# KiCad board AMC_FMC_Carrier-PcbDoc.kicad_pcb (continued)
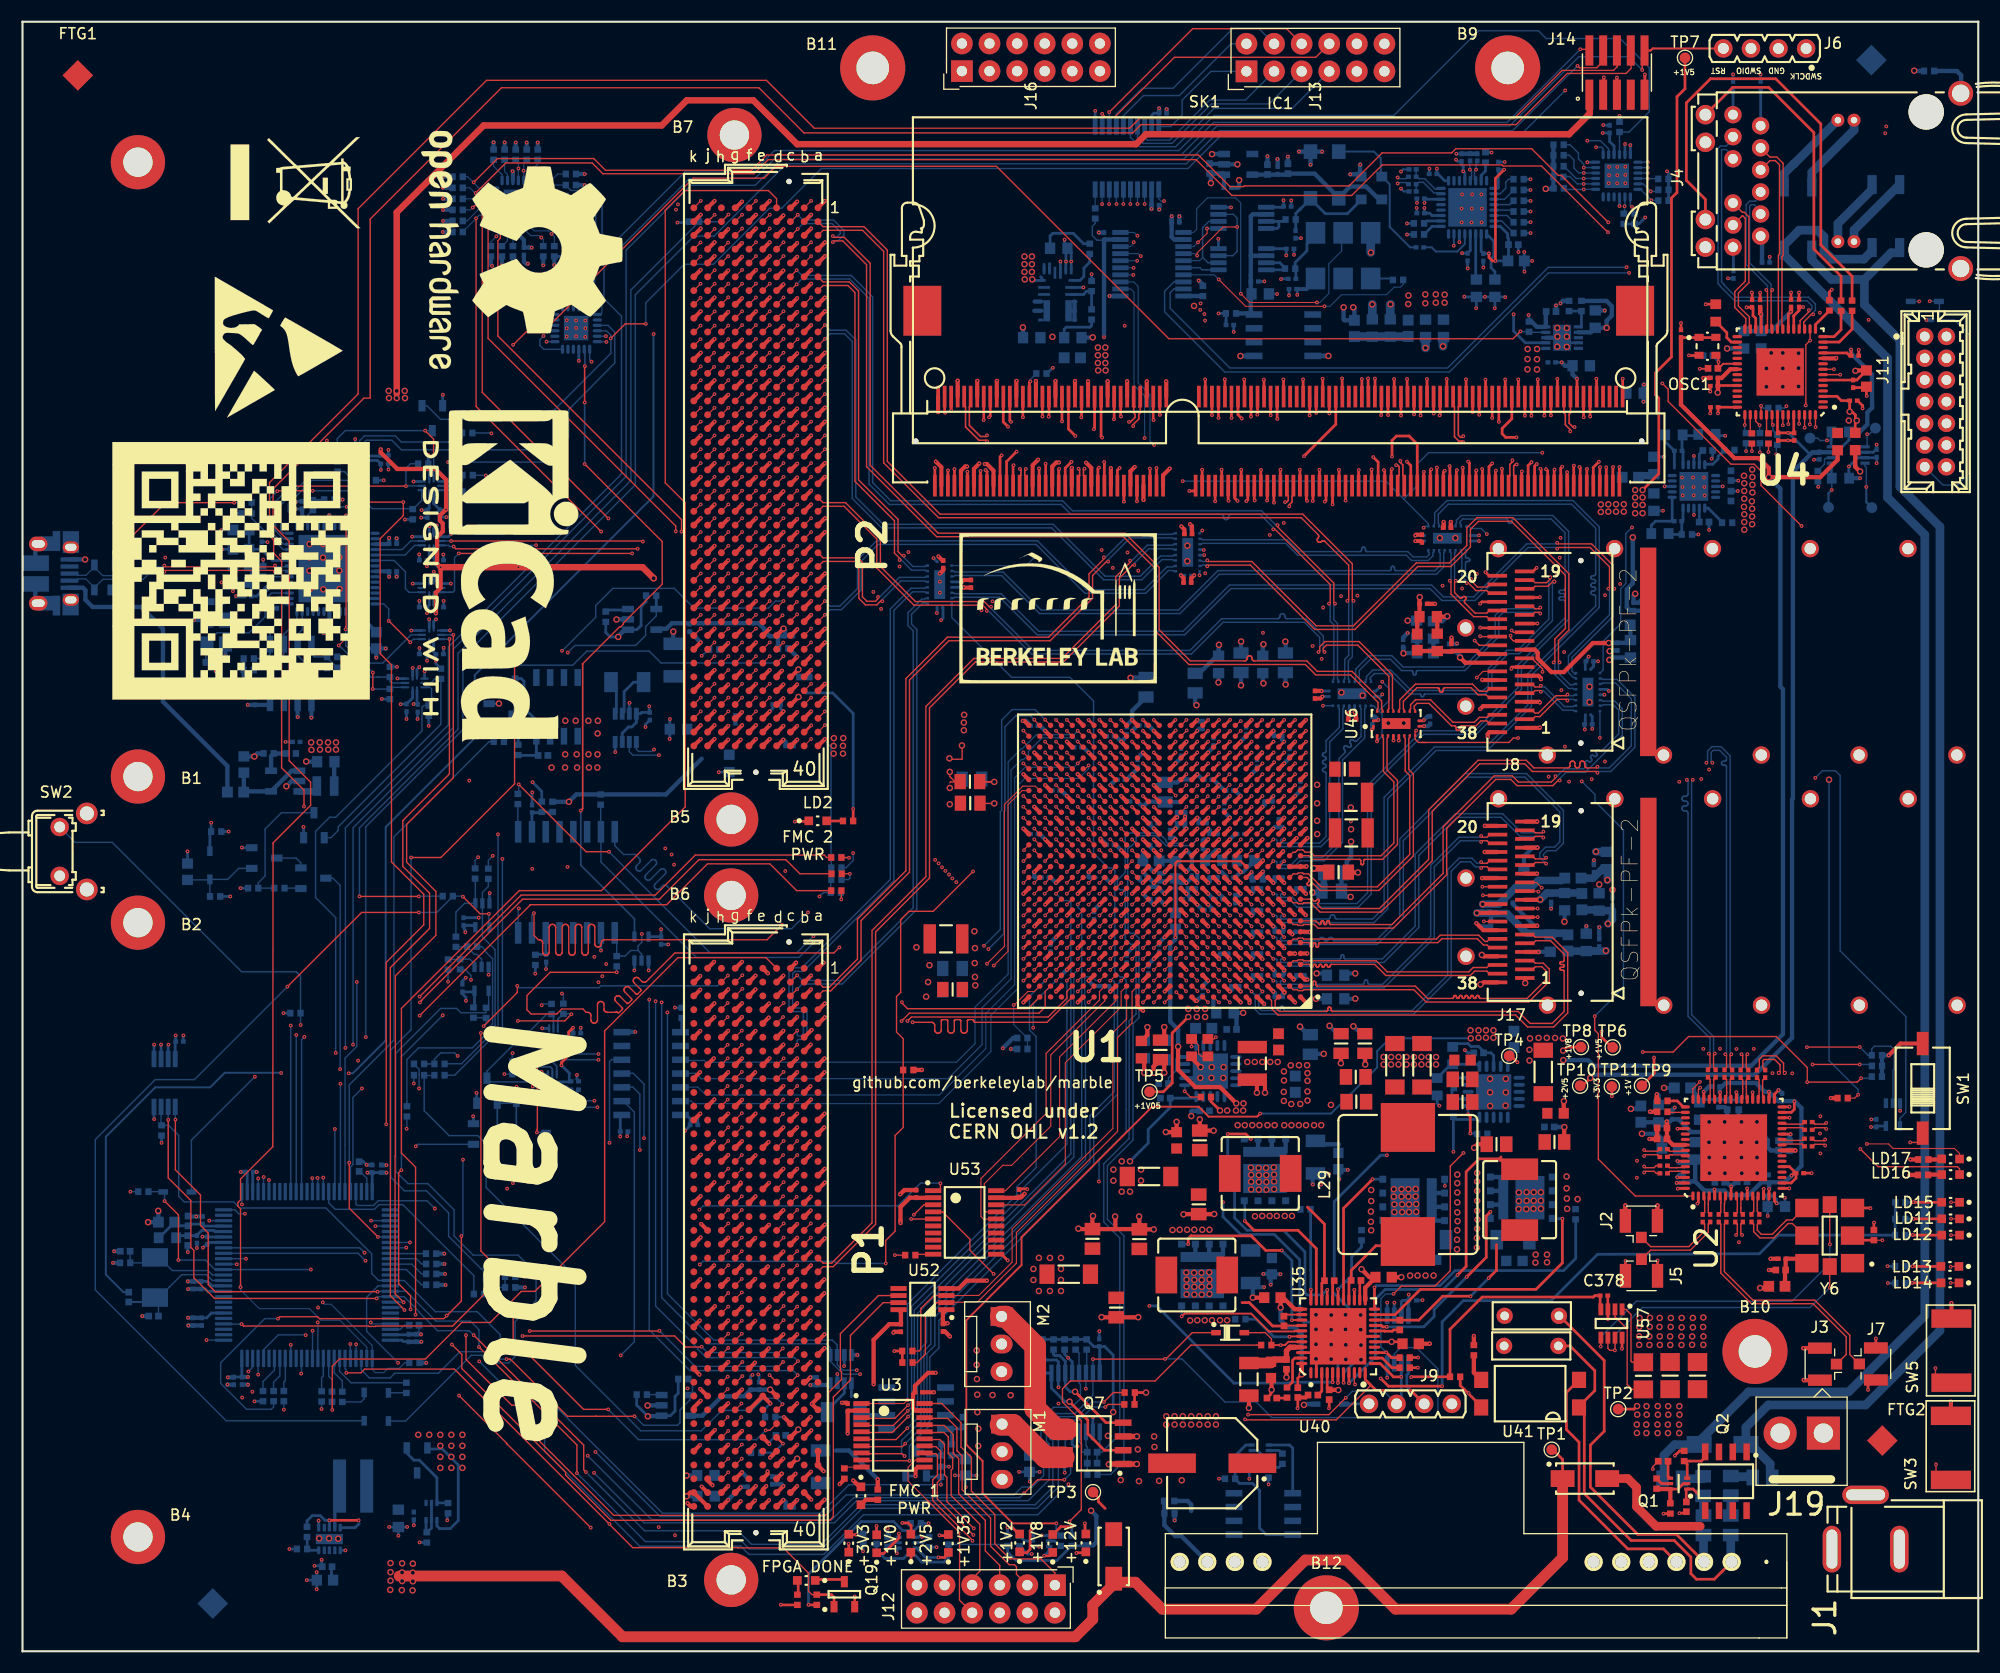
[diagram p0: board, top side]
## Routing (per net, layer and track width the routed paths; a pad name or vN(x,y) marks a point on that pad's centre or on a via; arc(x,y) is an arc through that point) (continued)
/SDRAM/DDR3_DQ27: length 39
  Top w0.254: SK1.69 104.37,108.82 104.37,108.82 v1(104.37,108.92) ; U1.AD14 v1(104.12,83.73)
  In2.Cu w0.135: v1(104.37,108.92) 104.19,108.74 104.19,108.11 104.19,108.09 104.18,108.07 104.17,108.06 104.16,108.05 104.15,108.04 104.13,108.03 104.1,108.03 104.08,108.02 104.07,108.01 104.05,108 104.05,107.99 104.04,107.97 104.04,107.96 104.04,107.51 104.04,107.49 104.05,107.47 104.05,107.46 104.07,107.45 104.08,107.44 104.1,107.43 104.11,107.43 104.19,107.43 104.34,107.43 104.37,107.43 104.4,107.42 104.43,107.4 104.45,107.37 104.47,107.35 104.48,107.31 104.49,107.28 104.49,106.98 104.48,106.95 104.47,106.92 104.45,106.89 104.43,106.86 104.4,106.85 104.37,106.83 104.34,106.83 104.11,106.83 104.1,106.83 104.08,106.82 104.07,106.81 104.05,106.8 104.05,106.79 104.04,106.77 104.04,106.76 104.04,106.31 104.04,106.29 104.05,106.27 104.05,106.26 104.07,106.25 104.08,106.24 104.1,106.23 104.11,106.23 104.34,106.23 104.37,106.23 104.4,106.22 104.43,106.2 104.45,106.17 104.47,106.15 104.48,106.11 104.49,106.08 104.49,105.78 104.48,105.75 104.47,105.72 104.45,105.69 104.43,105.66 104.4,105.65 104.37,105.63 104.34,105.63 104.11,105.63 104.1,105.63 104.08,105.62 104.07,105.61 104.05,105.6 104.05,105.59 104.04,105.57 104.04,105.56 104.04,105.11 104.04,105.09 104.05,105.07 104.05,105.06 104.07,105.05 104.08,105.04 104.1,105.03 104.11,105.03 104.34,105.03 104.37,105.03 104.4,105.02 104.43,105 104.45,104.97 104.47,104.95 104.48,104.91 104.49,104.88 104.49,104.58 104.48,104.55 104.47,104.52 104.45,104.49 104.43,104.46 104.4,104.45 104.37,104.43 104.34,104.43 104.11,104.43 104.1,104.43 104.08,104.42 104.07,104.41 104.05,104.4 104.05,104.39 104.04,104.37 104.04,104.36 104.04,103.91 104.04,103.89 104.05,103.87 104.05,103.86 104.07,103.85 104.08,103.84 104.1,103.83 104.11,103.83 104.34,103.83 104.37,103.83 104.4,103.82 104.43,103.8 104.45,103.77 104.47,103.75 104.48,103.71 104.49,103.68 104.49,103.38 104.48,103.35 104.47,103.32 104.45,103.29 104.43,103.26 104.4,103.25 104.37,103.23 104.34,103.23 104.11,103.23 104.1,103.23 104.08,103.22 104.07,103.21 104.05,103.2 104.05,103.19 104.04,103.17 104.04,103.16 104.04,102.71 104.04,102.69 104.05,102.67 104.05,102.66 104.07,102.65 104.08,102.64 104.1,102.63 104.11,102.63 104.34,102.63 104.37,102.63 104.4,102.62 104.43,102.6 104.45,102.57 104.47,102.55 104.48,102.51 104.49,102.48 104.49,102.18 104.48,102.15 104.47,102.12 104.45,102.09 104.43,102.06 104.4,102.05 104.37,102.03 104.34,102.03 104.11,102.03 104.1,102.03 104.08,102.02 104.07,102.01 104.05,102 104.05,101.99 104.04,101.97 104.04,101.96 104.04,101.51 104.04,101.49 104.05,101.47 104.05,101.46 104.07,101.45 104.08,101.44 104.1,101.43 104.11,101.43 104.34,101.43 104.37,101.43 104.4,101.42 104.43,101.4 104.45,101.37 104.47,101.35 104.48,101.31 104.49,101.28 104.49,100.98 104.48,100.95 104.47,100.92 104.45,100.89 104.43,100.86 104.4,100.85 104.37,100.83 104.34,100.83 104.11,100.83 104.1,100.83 104.08,100.82 104.07,100.81 104.05,100.8 104.05,100.79 104.04,100.77 104.04,100.76 104.04,100.31 104.04,100.29 104.05,100.27 104.05,100.26 104.07,100.25 104.08,100.24 104.1,100.23 104.11,100.23 104.34,100.23 104.37,100.23 104.4,100.22 104.43,100.2 104.45,100.17 104.47,100.15 104.48,100.11 104.49,100.08 104.49,99.78 104.48,99.75 104.47,99.72 104.45,99.69 104.43,99.66 104.4,99.65 104.37,99.63 104.34,99.63 104.11,99.63 104.1,99.63 104.08,99.62 104.07,99.61 104.05,99.6 104.05,99.59 104.04,99.57 104.04,99.56 104.04,99.11 104.04,99.09 104.05,99.07 104.05,99.06 104.07,99.05 104.08,99.04 104.1,99.03 104.11,99.03 104.34,99.03 104.37,99.03 104.4,99.02 104.43,99 104.45,98.97 104.47,98.95 104.48,98.91 104.49,98.88 104.49,98.58 104.48,98.55 104.47,98.52 104.45,98.49 104.43,98.46 104.4,98.45 104.37,98.43 104.34,98.43 104.11,98.43 104.1,98.43 104.08,98.42 104.07,98.41 104.05,98.4 104.05,98.39 104.04,98.37 104.04,98.36 104.04,97.91 104.04,97.89 104.05,97.87 104.05,97.86 104.07,97.85 104.08,97.84 104.1,97.83 104.11,97.83 104.34,97.83 104.37,97.83 104.4,97.82 104.43,97.8 104.45,97.77 104.47,97.75 104.48,97.71 104.49,97.68 104.49,97.38 104.48,97.35 104.47,97.32 104.45,97.29 104.43,97.26 104.4,97.25 104.37,97.23 104.34,97.23 104.11,97.23 104.1,97.23 104.08,97.22 104.07,97.21 104.05,97.2 104.05,97.19 104.04,97.17 104.04,97.16 104.04,96.71 104.04,96.69 104.05,96.67 104.05,96.66 104.07,96.65 104.08,96.64 104.1,96.63 104.11,96.63 104.34,96.63 104.37,96.63 104.4,96.62 104.43,96.6 104.45,96.57 104.47,96.55 104.48,96.51 104.49,96.48 104.49,96.18 104.48,96.15 104.47,96.12 104.45,96.09 104.43,96.06 104.4,96.05 104.37,96.03 104.34,96.03 104.11,96.03 104.1,96.03 104.08,96.02 104.07,96.01 104.05,96 104.05,95.99 104.04,95.97 104.04,95.96 104.04,95.51 104.04,95.49 104.05,95.47 104.05,95.46 104.07,95.45 104.08,95.44 104.1,95.43 104.11,95.43 104.34,95.43 104.37,95.43 104.4,95.42 104.43,95.4 104.45,95.37 104.47,95.35 104.48,95.31 104.49,95.28 104.49,94.98 104.48,94.95 104.47,94.92 104.45,94.89 104.43,94.86 104.4,94.85 104.37,94.83 104.34,94.83 104.11,94.83 104.1,94.83 104.08,94.82 104.07,94.81 104.05,94.8 104.05,94.79 104.04,94.77 104.04,94.76 104.04,94.31 104.04,94.29 104.05,94.27 104.05,94.26 104.07,94.25 104.08,94.24 104.1,94.23 104.11,94.23 104.34,94.23 104.37,94.23 104.4,94.22 104.43,94.2 104.45,94.17 104.47,94.15 104.48,94.11 104.49,94.08 104.49,93.78 104.48,93.75 104.47,93.72 104.45,93.69 104.43,93.66 104.4,93.65 104.37,93.63 104.34,93.63 104.11,93.63 104.1,93.63 104.08,93.62 104.07,93.61 104.05,93.6 104.05,93.59 104.04,93.57 104.04,93.56 104.04,93.11 104.04,93.09 104.05,93.07 104.05,93.06 104.07,93.05 104.08,93.04 104.1,93.03 104.11,93.03 104.34,93.03 104.37,93.03 104.4,93.02 104.43,93 104.45,92.97 104.47,92.95 104.48,92.91 104.49,92.88 104.49,92.58 104.48,92.55 104.47,92.52 104.45,92.49 104.43,92.46 104.4,92.45 104.37,92.43 104.34,92.43 104.11,92.43 104.1,92.43 104.08,92.42 104.07,92.41 104.05,92.4 104.05,92.39 104.04,92.37 104.04,92.36 104.04,91.91 104.04,91.89 104.05,91.87 104.05,91.86 104.07,91.85 104.08,91.84 104.1,91.83 104.11,91.83 104.34,91.83 104.37,91.83 104.4,91.82 104.43,91.8 104.45,91.77 104.47,91.75 104.48,91.71 104.49,91.68 104.49,91.38 104.48,91.35 104.47,91.32 104.45,91.29 104.43,91.26 104.4,91.25 104.37,91.23 104.34,91.23 104.11,91.23 104.1,91.23 104.08,91.22 104.07,91.21 104.05,91.2 104.05,91.19 104.04,91.17 104.04,91.16 104.04,90.71 104.04,90.69 104.05,90.67 104.05,90.66 104.07,90.65 104.08,90.64 104.1,90.63 104.11,90.63 104.34,90.63 104.37,90.63 104.4,90.62 104.43,90.6 104.45,90.57 104.47,90.55 104.48,90.51 104.49,90.48 104.49,90.18 104.48,90.15 104.47,90.12 104.45,90.09 104.43,90.06 104.4,90.05 104.37,90.03 104.34,90.03 104.11,90.03 104.1,90.03 104.08,90.02 104.07,90.01 104.05,90 104.05,89.99 104.04,89.97 104.04,89.96 104.04,89.51 104.04,89.49 104.05,89.47 104.05,89.46 104.07,89.45 104.08,89.44 104.1,89.43 104.11,89.43 104.34,89.43 104.37,89.43 104.4,89.42 104.43,89.4 104.45,89.37 104.47,89.35 104.48,89.31 104.49,89.28 104.49,88.98 104.48,88.95 104.47,88.92 104.45,88.89 104.43,88.86 104.4,88.85 104.37,88.83 104.3,88.83 104.27,88.82 104.24,88.8 104.22,88.77 104.2,88.75 104.19,88.71 104.19,88.68 104.19,86.44 104.46,86.16 104.46,84.07 v1(104.12,83.73)
/SDRAM/DDR3_DQ28: length 39
  Top w0.254: U1.AB15 v1(103.12,81.73) ; v1(100.45,113.41) 100.47,113.43 SK1.56
  In4.Cu w0.135: v1(100.45,113.41) 102.02,111.85 102.02,111.57 102.01,111.51 101.99,111.44 101.95,111.39 101.9,111.34 101.85,111.3 101.78,111.28 101.72,111.27 101.56,111.27 101.49,111.27 101.43,111.24 101.37,111.21 101.33,111.16 101.29,111.1 101.27,111.04 101.26,110.97 101.27,110.91 101.29,110.84 101.33,110.79 101.37,110.74 101.43,110.7 101.49,110.68 101.56,110.67 102.47,110.67 102.54,110.67 102.6,110.64 102.66,110.61 102.71,110.56 102.74,110.5 102.76,110.44 102.77,110.37 102.76,110.31 102.74,110.24 102.71,110.19 102.66,110.14 102.6,110.1 102.54,110.08 102.47,110.07 102.32,110.07 102.25,110.07 102.19,110.04 102.13,110.01 102.08,109.96 102.05,109.9 102.02,109.84 102.02,109.77 102.02,105.49 103.45,104.14 104.51,103.09 104.51,95.8 103.74,95.04 103.74,82.35 v1(103.12,81.73)
/SDRAM/DDR3_DQ29: length 39
  Top w0.254: SK1.58 101.07,113.7 v1(101.1,113.67) ; U1.AA17 v1(101.12,80.73)
  In2.Cu w0.135: v1(101.1,113.67) 101.1,113.42 100.56,112.88 100.56,105.86 97.37,102.67 97.37,99.3 101.24,95.43 101.24,90.53 101.13,90.41 101.13,88.73 101.46,88.39 101.46,81.07 v1(101.12,80.73)
/SDRAM/DDR3_DQ30: length 39.1
  Top w0.254: v1(104.1,113.34) 104.07,113.37 SK1.68 ; U1.AC14 v1(104.12,82.73)
  In2.Cu w0.135: v1(104.1,113.34) 104.1,114.27 104.33,114.49 104.33,114.89 104.06,115.15 103.44,115.15 103.1,114.81 103.1,113.17 104.76,111.51 104.76,86.67 104.85,86.58 104.85,83.46 v1(104.12,82.73)
/SDRAM/DDR3_DQ31: length 39
  Top w0.254: v1(104.68,113.81) 104.67,113.82 SK1.70 ; U1.AB14 v1(104.12,81.73)
  In2.Cu w0.135: v1(104.68,113.81) 105.19,113.3 105.19,111.85 105.2,111.8 105.21,111.75 105.24,111.71 105.28,111.67 105.32,111.65 105.37,111.63 105.42,111.62 106.02,111.62 106.07,111.62 106.11,111.6 106.16,111.57 106.19,111.54 106.22,111.5 106.24,111.45 106.24,111.4 106.24,111.35 106.22,111.3 106.19,111.26 106.16,111.22 106.11,111.2 106.07,111.18 106.02,111.17 105.12,111.17 105.1,111.17 105.08,111.17 105.07,111.16 105.06,111.15 105.05,111.13 105.04,111.12 105.04,111.1 105.04,110.8 105.04,110.78 105.05,110.77 105.06,110.75 105.07,110.74 105.08,110.73 105.1,110.73 105.12,110.72 106.02,110.72 106.07,110.72 106.11,110.7 106.16,110.67 106.19,110.64 106.22,110.6 106.24,110.55 106.24,110.5 106.24,110.45 106.22,110.4 106.19,110.36 106.16,110.32 106.11,110.3 106.07,110.28 106.02,110.27 105.42,110.27 105.37,110.27 105.32,110.25 105.28,110.22 105.24,110.19 105.21,110.15 105.2,110.1 105.19,110.05 105.19,82.8 v1(104.12,81.73)
/SDRAM/DDR3_DQ32: length 44.4
  Top w0.254: U1.AD6 v1(113.12,83.73) ; v1(124.32,109.92) 124.77,109.47 SK1.129
  In4.Cu w0.135: v1(113.12,83.73) 112.78,84.07 112.78,86.1 113.01,86.34 113.01,89.39 114.74,91.11 114.74,97.38 123.33,105.97 123.33,114.5 123.52,114.68 123.94,114.68 124.32,114.3 v1(124.32,109.92)
/SDRAM/DDR3_DQ33: length 44.4
  Top w0.254: U1.AB6 v1(113.12,81.73) ; v1(125.29,108.73) 125.37,108.66 SK1.131
  In4.Cu w0.135: v1(113.12,81.73) 113.47,82.08 113.47,89.32 115.26,91.11 115.26,97.19 124.14,106.07 124.14,108.05 124.62,108.54 124.62,109.68 124.77,109.83 124.77,112.94 125,113.16 125.77,113.16 126.36,112.56 126.36,111.88 125.29,110.81 v1(125.29,108.73)
/SDRAM/DDR3_DQ34: length 44.4
  Top w0.254: U1.Y6 v1(113.12,79.73) ; v1(126.04,109.99) 126.04,111.46 126.45,111.86 127.62,111.86 128.37,111.12 SK1.141
  In4.Cu w0.135: v1(126.04,109.99) 125.64,109.58 125.64,107.06 115.76,97.18 115.76,89.74 114.67,88.65 113.75,87.71 113.75,84.87 113.73,84.85 113.73,80.34 v1(113.12,79.73)
/SDRAM/DDR3_DQ35: length 44.4
  Top w0.2: 115.12,82.73 v1(115.15,82.73)
  Top w0.254: v1(128.97,108.56) 128.97,108.56 SK1.143 ; U1.AC4 115.12,82.73
  In7.Cu w0.135: v1(128.97,108.56) 128.93,108.52 128.93,107.03 123.62,101.72 123.62,101.28 123.61,101.21 123.59,101.15 123.55,101.09 123.51,101.04 123.45,101.01 123.39,100.98 123.32,100.98 123.11,100.98 123.04,100.97 122.98,100.95 122.92,100.91 122.87,100.86 122.84,100.81 122.81,100.74 122.81,100.68 122.81,100.61 122.84,100.55 122.87,100.49 122.92,100.44 122.98,100.41 123.04,100.38 123.11,100.38 123.98,100.38 124.05,100.37 124.11,100.35 124.17,100.31 124.22,100.26 124.25,100.21 124.27,100.14 124.28,100.08 124.27,100.01 124.25,99.95 124.22,99.89 124.17,99.84 124.11,99.81 124.05,99.78 123.98,99.78 123.11,99.78 123.04,99.77 122.98,99.75 122.92,99.71 122.87,99.66 122.84,99.61 122.81,99.54 122.81,99.48 122.81,99.41 122.84,99.35 122.87,99.29 122.92,99.24 122.98,99.21 123.04,99.18 123.11,99.18 123.98,99.18 124.05,99.17 124.11,99.15 124.17,99.11 124.22,99.06 124.25,99.01 124.27,98.94 124.28,98.88 124.27,98.81 124.25,98.75 124.22,98.69 124.17,98.64 124.11,98.61 124.05,98.58 123.98,98.58 123.92,98.58 123.85,98.57 123.79,98.55 123.73,98.51 123.68,98.46 123.65,98.41 123.63,98.34 123.62,98.28 123.62,93.98 123.02,93.39 122.97,93.35 122.91,93.32 122.84,93.3 122.78,93.3 122.71,93.32 122.65,93.35 122.6,93.39 122.35,93.63 122.3,93.68 122.24,93.71 122.17,93.72 122.11,93.72 122.04,93.71 121.98,93.68 121.93,93.63 121.89,93.58 121.86,93.52 121.84,93.46 121.84,93.39 121.86,93.32 121.89,93.26 121.93,93.21 122.46,92.68 122.47,92.66 122.48,92.64 122.49,92.62 122.49,92.6 122.48,92.58 122.47,92.56 122.46,92.54 122.17,92.26 122.16,92.24 122.14,92.23 122.12,92.23 122.09,92.23 122.07,92.23 122.05,92.24 122.02,92.27 122,92.28 121.97,92.28 121.95,92.28 121.93,92.28 121.91,92.27 121.89,92.26 119.21,89.57 119.21,88.31 118.66,87.76 118.62,87.71 118.59,87.65 118.57,87.58 118.57,87.51 118.59,87.45 118.62,87.39 118.66,87.33 118.91,87.09 118.95,87.03 118.98,86.97 118.99,86.91 118.99,86.84 118.98,86.78 118.95,86.71 118.91,86.66 118.85,86.62 118.79,86.59 118.73,86.58 118.66,86.58 118.59,86.59 118.53,86.62 118.48,86.66 117.56,87.58 117.51,87.62 117.45,87.65 117.38,87.67 117.32,87.67 117.25,87.65 117.19,87.62 117.14,87.58 117.1,87.53 117.07,87.47 117.05,87.4 117.05,87.34 117.07,87.27 117.1,87.21 117.14,87.16 117.88,86.41 117.92,86.36 117.95,86.3 117.97,86.24 117.97,86.17 117.95,86.1 117.92,86.04 117.88,85.99 117.83,85.95 117.77,85.92 117.7,85.9 117.63,85.9 117.57,85.92 117.51,85.95 117.46,85.99 117.39,86.06 117.33,86.1 117.27,86.13 117.21,86.15 117.14,86.15 117.07,86.13 117.01,86.1 116.96,86.06 115.92,85.02 115.92,85.01 114.8,83.89 114.8,83.08 v1(115.15,82.73)
/SDRAM/DDR3_DQ36: length 44.5
  Top w0.254: SK1.130 125.07,113.82 v1(125.04,113.8) ; U1.AC6 v1(113.12,82.73)
  In4.Cu w0.135: v1(125.04,113.8) 125.04,115.74 124.5,116.28 123.61,116.28 122.6,115.27 122.6,105.89 113.7,96.99 113.7,90.76 112.66,89.72 112.67,88.74 112.46,88.54 112.46,83.39 v1(113.12,82.73)
/SDRAM/DDR3_DQ37: length 44.4
  Top w0.2: 115.2,81.81 v1(115.2,81.84)
  Top w0.254: v1(125.69,113.8) 125.67,113.82 SK1.132 ; U1.AB4 115.2,81.81
  In4.Cu w0.135: v1(115.2,81.84) 115.78,82.42 115.78,85.94 117.69,87.85 117.69,94.16 118.75,95.23 118.75,97.03 127.98,106.25 127.98,111.51 126.43,113.06 126.43,115.38 126.35,115.46 125.78,115.46 125.69,115.37 v1(125.69,113.8)
/SDRAM/DDR3_DQ38: length 44.5
  Top w0.254: U1.AA4 v1(115.12,80.73) ; v1(128.08,113.86) 128.07,113.87 SK1.140
  In4.Cu w0.135: v1(115.12,80.73) 115.12,81.24 116.78,82.9 116.78,84.88 118.79,86.89 118.79,89.33 123.41,93.95 123.41,99.73 126.73,103.05 126.73,103.37 129.35,105.99 129.35,108.59 129.31,108.63 129.31,108.78 129.23,108.86 129.23,110.11 129.23,110.16 129.21,110.2 129.19,110.24 129.16,110.27 129.12,110.29 129.08,110.3 128.99,110.31 128.95,110.33 128.92,110.35 128.88,110.38 128.86,110.42 128.85,110.46 128.84,110.5 128.84,110.71 128.85,110.76 128.86,110.8 128.88,110.84 128.92,110.87 128.95,110.89 128.99,110.9 129.04,110.91 129.82,110.91 129.89,110.92 129.95,110.94 130.01,110.98 130.06,111.02 130.09,111.08 130.12,111.14 130.12,111.21 130.12,111.28 130.09,111.34 130.06,111.4 130.01,111.44 129.95,111.48 129.89,111.5 129.82,111.51 129.23,111.51 129.23,111.54 129.04,111.54 128.99,111.54 128.95,111.56 128.92,111.58 128.88,111.61 128.86,111.65 128.85,111.69 128.84,111.73 128.84,111.94 128.85,111.99 128.86,112.03 128.88,112.07 128.92,112.1 128.95,112.12 128.99,112.13 129.08,112.14 129.12,112.16 129.16,112.18 129.19,112.21 129.21,112.25 129.23,112.29 129.23,112.33 129.23,112.7 v1(128.08,113.86)
/SDRAM/DDR3_DQ39: length 44.4
  Top w0.254: U1.Y5 v1(114.12,79.73) ; SK1.142 128.67,113.78 v1(128.67,113.77)
  In4.Cu w0.135: v1(128.67,113.77) 130.54,111.9 130.54,106.62 127.21,103.29 127.21,102.81 124.11,99.71 124.09,99.71 124.09,93.96 119.17,89.04 119.17,86.27 118.17,85.27 118.15,85.27 117.66,84.78 117.66,82.76 114.63,79.73 v1(114.12,79.73)
/SDRAM/DDR3_DQ40: length 39.6
  Top w0.254: v1(130.17,108.96) 130.17,108.95 SK1.147 ; U1.AF2 v1(117.12,85.73)
  In2.Cu w0.135: v1(117.12,85.73) 117.12,87.42 124.32,94.62 124.32,95.04 124.33,95.11 124.35,95.17 124.38,95.23 124.43,95.28 124.49,95.31 124.55,95.33 124.62,95.34 124.87,95.34 124.93,95.35 125,95.37 125.05,95.41 125.1,95.45 125.14,95.51 125.16,95.57 125.17,95.64 125.16,95.71 125.14,95.77 125.1,95.83 125.05,95.88 125,95.91 124.93,95.93 124.87,95.94 123.87,95.94 123.8,95.95 123.74,95.97 123.68,96.01 123.63,96.05 123.6,96.11 123.58,96.17 123.57,96.24 123.58,96.31 123.6,96.37 123.63,96.43 123.68,96.48 123.74,96.51 123.8,96.53 123.87,96.54 124.87,96.54 124.93,96.55 125,96.57 125.05,96.61 125.1,96.65 125.14,96.71 125.16,96.77 125.17,96.84 125.16,96.91 125.14,96.97 125.1,97.03 125.05,97.08 125,97.11 124.93,97.13 124.87,97.14 123.87,97.14 123.8,97.15 123.74,97.17 123.68,97.21 123.63,97.25 123.6,97.31 123.58,97.37 123.57,97.44 123.58,97.51 123.6,97.57 123.63,97.63 123.68,97.68 123.74,97.71 123.8,97.73 123.87,97.74 124.87,97.74 124.93,97.75 125,97.77 125.05,97.81 125.1,97.85 125.14,97.91 125.16,97.97 125.17,98.04 125.16,98.11 125.14,98.17 125.1,98.23 125.05,98.28 125,98.31 124.93,98.33 124.87,98.34 123.87,98.34 123.8,98.35 123.74,98.37 123.68,98.41 123.63,98.45 123.6,98.51 123.58,98.57 123.57,98.64 123.58,98.71 123.6,98.77 123.63,98.83 123.68,98.88 123.74,98.91 123.8,98.93 123.87,98.94 124.02,98.94 124.08,98.95 124.15,98.97 124.2,99.01 124.25,99.05 124.29,99.11 124.31,99.17 124.32,99.24 124.32,101.11 124.31,101.18 124.29,101.24 124.25,101.3 124.2,101.35 124.15,101.38 124.08,101.41 124.02,101.41 123.95,101.41 123.88,101.42 123.82,101.44 123.76,101.48 123.72,101.53 123.68,101.58 123.66,101.65 123.65,101.71 123.66,101.78 123.68,101.84 123.72,101.9 123.76,101.95 123.82,101.98 123.88,102.01 123.95,102.01 124.02,102.01 124.08,102.02 124.15,102.04 124.2,102.08 124.25,102.13 124.29,102.18 124.31,102.25 124.32,102.31 124.32,102.85 130.17,108.71 v1(130.17,108.96)
/SDRAM/DDR3_DQ41: length 39.6
  Top w0.254: SK1.149 130.77,108.55 130.88,108.66 v1(130.9,108.66) ; U1.AE2 v1(117.12,84.73)
  In2.Cu w0.135: v1(117.12,84.73) 117.46,85.07 117.46,86.98 125.42,94.94 125.42,98.75 125.43,98.82 125.45,98.88 125.49,98.94 125.54,98.98 125.59,99.02 125.66,99.04 125.72,99.05 125.98,99.05 126.04,99.06 126.11,99.08 126.16,99.11 126.21,99.16 126.25,99.22 126.27,99.28 126.28,99.35 126.27,99.42 126.25,99.48 126.21,99.54 126.16,99.58 126.11,99.62 126.04,99.64 125.98,99.65 124.97,99.65 124.9,99.66 124.84,99.68 124.78,99.71 124.73,99.76 124.7,99.82 124.68,99.88 124.67,99.95 124.68,100.02 124.7,100.08 124.73,100.14 124.78,100.18 124.84,100.22 124.9,100.24 124.97,100.25 125.98,100.25 126.04,100.26 126.11,100.28 126.16,100.31 126.21,100.36 126.25,100.42 126.27,100.48 126.28,100.55 126.27,100.62 126.25,100.68 126.21,100.74 126.16,100.78 126.11,100.82 126.04,100.84 125.98,100.85 124.97,100.85 124.9,100.86 124.84,100.88 124.78,100.91 124.73,100.96 124.7,101.02 124.68,101.08 124.67,101.15 124.68,101.22 124.7,101.28 124.73,101.34 124.78,101.38 124.84,101.42 124.9,101.44 124.97,101.45 125.98,101.45 126.04,101.46 126.11,101.48 126.16,101.51 126.21,101.56 126.25,101.62 126.27,101.68 126.28,101.75 126.27,101.82 126.25,101.88 126.21,101.94 126.16,101.98 126.11,102.02 126.04,102.04 125.98,102.05 124.97,102.05 124.9,102.06 124.84,102.08 124.78,102.11 124.73,102.16 124.7,102.22 124.68,102.28 124.67,102.35 124.68,102.42 124.7,102.48 124.73,102.54 124.78,102.58 124.84,102.62 124.9,102.64 124.97,102.65 125.12,102.65 125.19,102.66 125.25,102.68 125.31,102.71 125.36,102.76 125.39,102.82 125.41,102.88 125.42,102.95 125.42,103.19 v1(130.9,108.66)
/SDRAM/DDR3_DQ42: length 39.6
  Top w0.254: U1.AE1 v1(118.12,84.73) ; SK1.157 133.17,109.39 v1(133.06,109.5)
  In4.Cu w0.135: v1(118.12,84.73) 119.53,84.73 120.67,85.87 120.67,86.35 122.17,87.85 122.17,90.33 122.75,90.9 122.8,90.94 122.86,90.97 122.92,90.99 122.98,90.99 123.05,90.97 123.1,90.94 123.21,90.86 123.26,90.84 123.33,90.82 123.39,90.82 123.45,90.84 123.51,90.86 123.56,90.9 123.58,90.92 123.62,90.97 123.65,91.03 123.66,91.09 123.66,91.16 123.65,91.22 123.62,91.28 123.58,91.33 123.38,91.53 123.39,91.54 123.18,91.74 123.14,91.79 123.11,91.85 123.1,91.91 123.1,91.98 123.11,92.04 123.14,92.1 123.18,92.15 123.2,92.17 123.25,92.21 123.31,92.24 123.37,92.25 123.44,92.25 123.5,92.24 123.56,92.21 123.66,92.13 123.72,92.1 123.78,92.08 123.84,92.08 123.9,92.1 123.96,92.13 124.01,92.17 124.56,92.71 124.56,98.92 127.77,102.14 127.77,102.98 131.76,106.96 131.76,108.47 131.67,108.56 131.67,108.91 131.69,108.93 131.69,109.41 131.34,109.76 131.34,110.37 131.67,110.7 132.67,110.7 133.06,110.32 v1(133.06,109.5)
/SDRAM/DDR3_DQ43: length 39.7
  Top w0.254: SK1.159 133.77,108.67 v1(133.8,108.7) ; U1.AD1 v1(118.12,83.73)
  In4.Cu w0.135: v1(118.12,83.73) 118.29,83.91 119.74,83.91 120.48,84.64 120.53,84.69 120.59,84.71 120.66,84.73 120.72,84.73 120.79,84.71 120.85,84.69 120.9,84.64 121.11,84.43 121.17,84.39 121.23,84.36 121.29,84.34 121.36,84.34 121.42,84.36 121.49,84.39 121.54,84.43 121.58,84.48 121.61,84.54 121.62,84.61 121.62,84.68 121.61,84.74 121.58,84.8 121.54,84.85 121.11,85.28 121.13,85.3 120.97,85.46 120.94,85.5 120.92,85.54 120.91,85.59 120.91,85.64 120.92,85.69 120.94,85.74 120.97,85.78 121.08,85.88 121.12,85.91 121.16,85.93 121.21,85.95 121.26,85.95 121.31,85.93 121.36,85.91 121.43,85.85 121.48,85.83 121.53,85.82 121.58,85.82 121.63,85.83 121.67,85.85 121.71,85.88 121.71,86.63 122.87,87.79 122.87,88.85 122.88,88.87 122.88,89.32 123.41,89.85 123.44,89.89 123.46,89.93 123.47,89.97 123.47,90.02 123.46,90.06 123.44,90.1 123.39,90.17 123.37,90.21 123.36,90.26 123.36,90.3 123.37,90.35 123.39,90.39 123.41,90.42 123.56,90.56 123.59,90.59 123.63,90.61 123.67,90.62 123.72,90.62 123.76,90.61 123.8,90.59 123.84,90.56 124.3,90.1 124.35,90.06 124.41,90.03 124.48,90.02 124.55,90.02 124.61,90.03 124.67,90.06 124.72,90.1 124.77,90.15 124.79,90.21 124.81,90.28 124.81,90.35 124.79,90.41 124.77,90.47 124.72,90.53 123.98,91.27 123.94,91.32 123.91,91.38 123.89,91.45 123.89,91.52 123.91,91.58 123.94,91.64 123.98,91.69 124.03,91.74 124.09,91.77 124.16,91.78 124.23,91.78 124.29,91.77 124.35,91.74 124.4,91.69 124.62,91.48 124.67,91.44 124.73,91.41 124.8,91.4 124.86,91.4 124.93,91.41 124.99,91.44 125.04,91.48 125.04,98.1 129.11,102.16 129.11,102.96 129.74,103.6 129.74,104.24 133.8,108.31 v1(133.8,108.7)
